# Altium PCB PCB1.PcbDoc
Units mm, origin at the board's own origin, x right, y up, seen from the top; angles counter-clockwise.
Board outline 150 x 90 mm, 2 copper layers (Top Layer, Bottom Layer); 47 components, 75 nets, 310 pads, 29 vias.
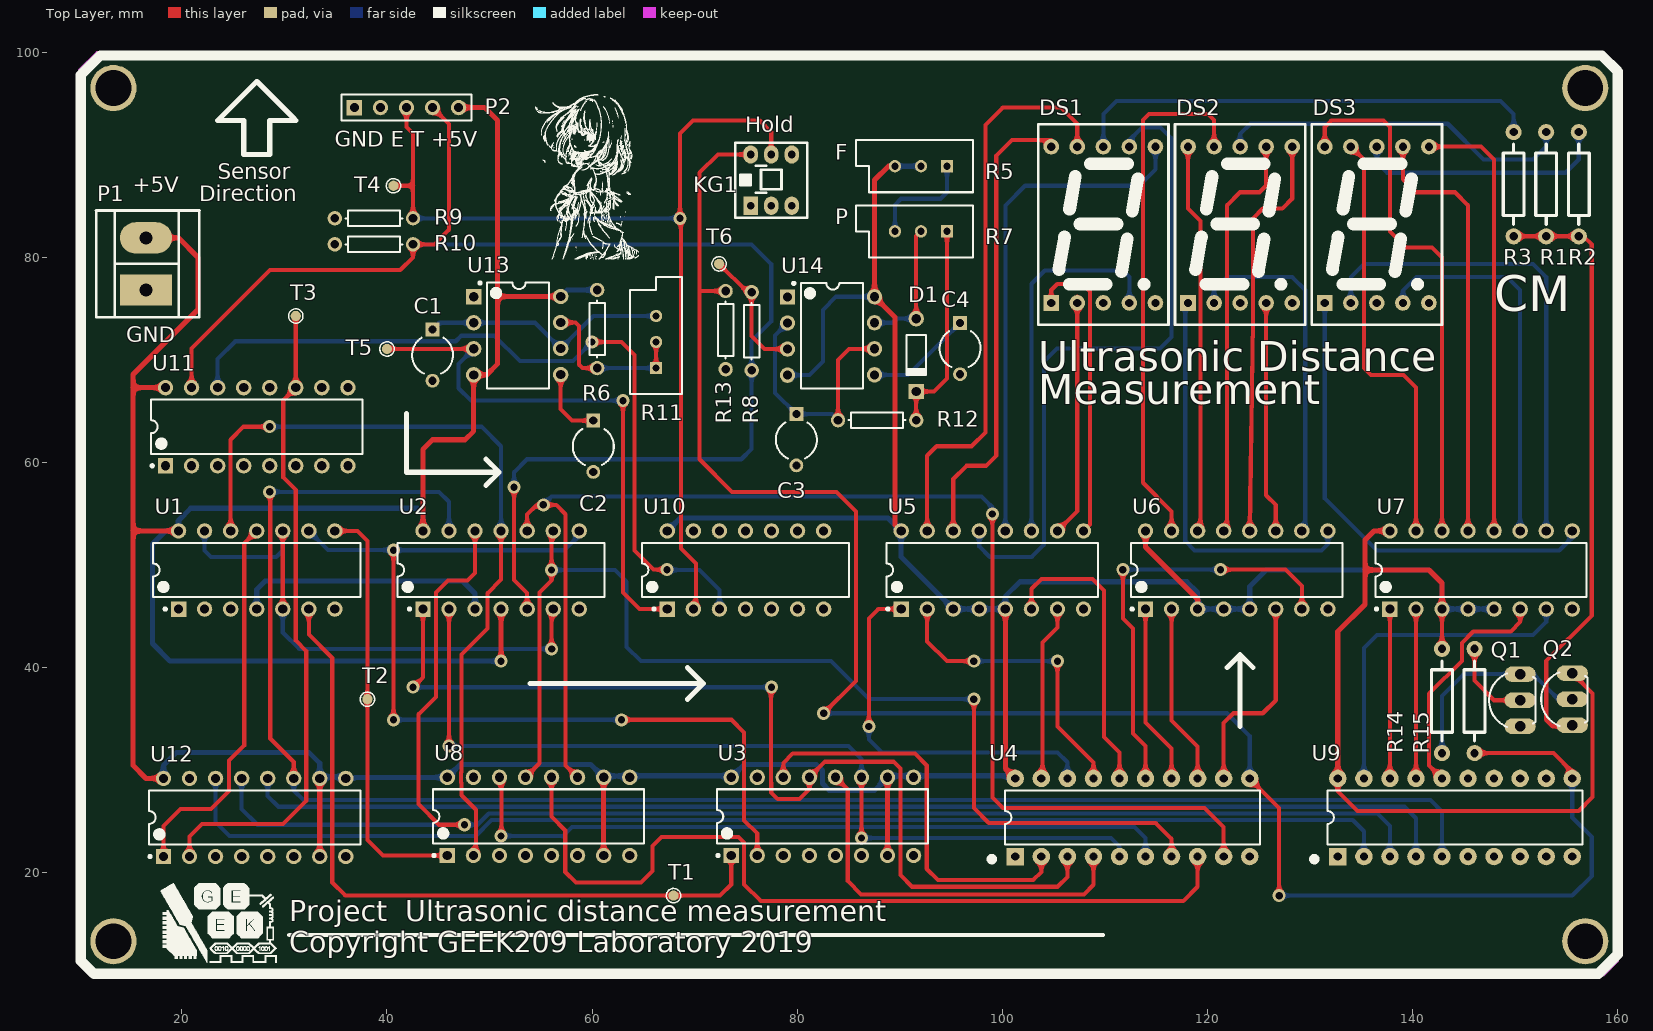
[diagram p0: Top Layer view]
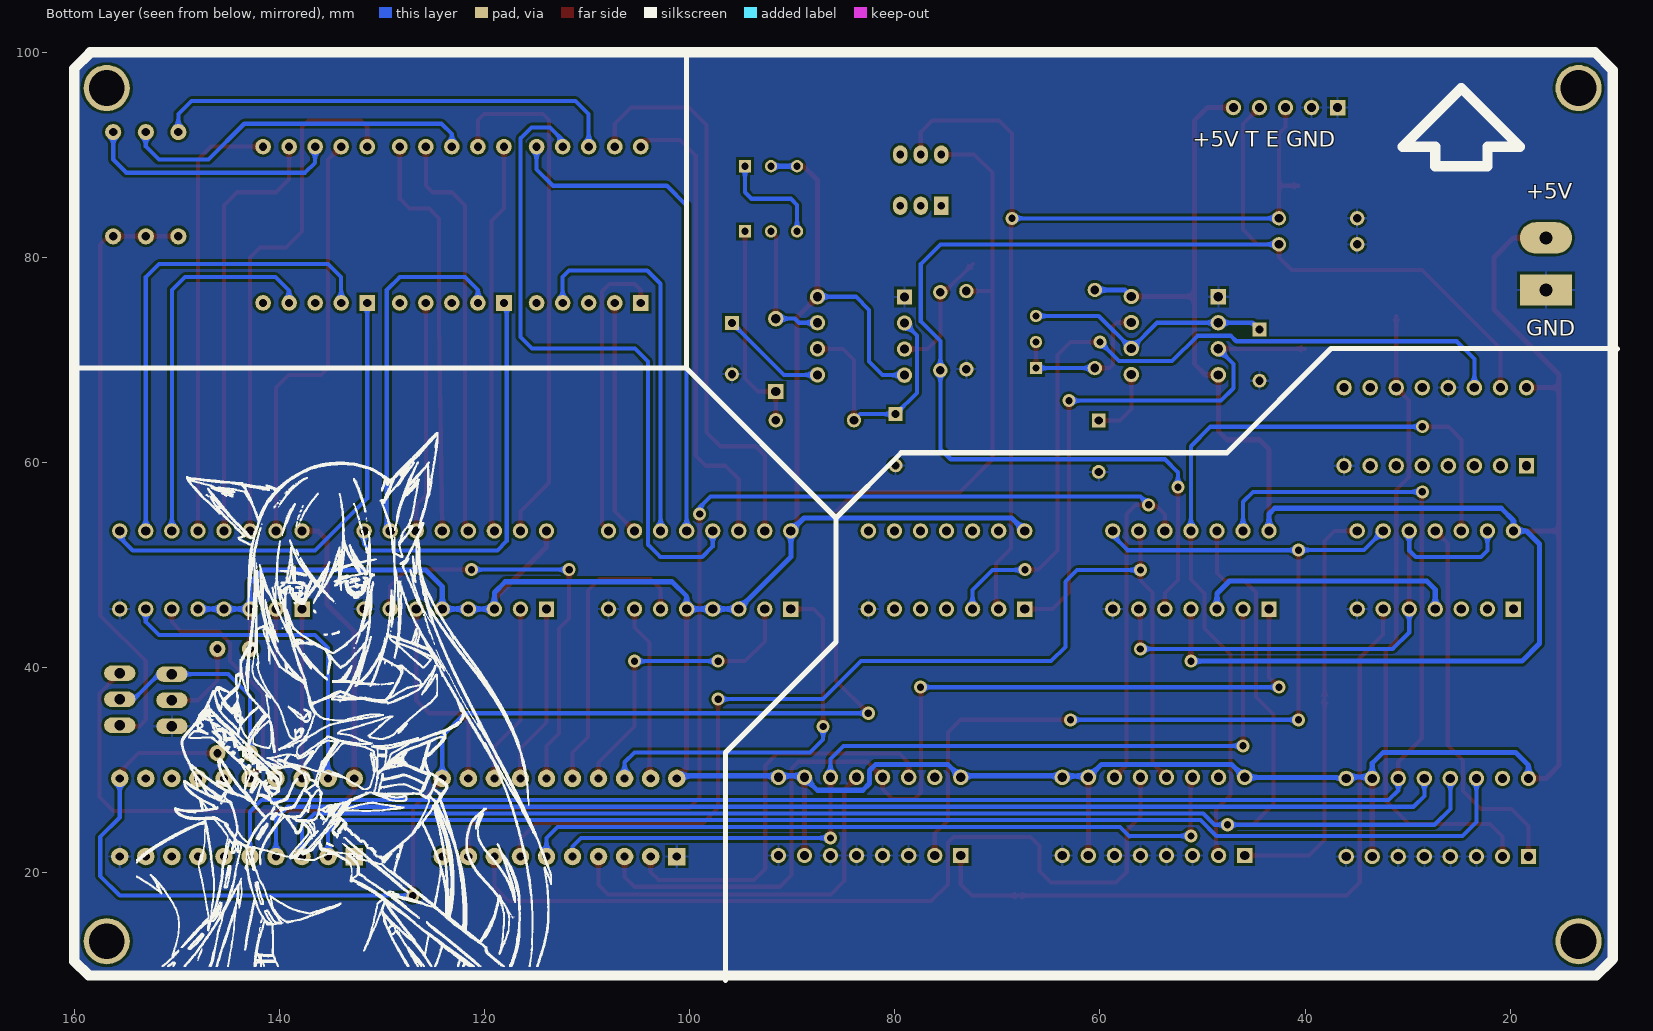
[diagram p1: Bottom Layer view, seen from below]

## Layer stack, top to bottom
Top Solder: solder mask 0.0102, Solder Resist, Dk 3.5
Top Layer: signal copper 0.0356
Dielectric 1: dielectric 0.32, FR-4, Dk 4.8
Bottom Layer: signal copper 0.0356
Bottom Solder: solder mask 0.0102, Solder Resist, Dk 3.5

## Board outline
11.59,10 10,11.59 10,98.265 11.735,100 158.445,100 160,98.445 160,11.39 158.61,10

## Design rules (kind name [scope] priority, off if disabled: settings)
Clearance [All] p1: gap=0.254 ignorepadtopadclearanceinfootprint=FALSE except(0: Arc-Hole Track-Hole SMDPad-Hole THPad-Hole Via-Hole Fill-Hole Poly-Hole Region-Hole Text-Hole)
PolygonConnect [All] p1: connectstyle=Relief reliefconductorwidth=0.254 reliefentries=4 polygonreliefangle="90 Angle" airgapwidth=0.254
RoutingVias [All] p1: holewidth=0.711 width=1.27 viastyle="Through Hole" minholewidth=0.711 minwidth=1.27 maxholewidth=0.711 maxwidth=1.27
SolderMaskExpansion [All] p1: expansion=0.102
Width [All] p1: maxlimit=0.8 minlimit=0.254 preferedwidth=0.4 checkconnectedcopper=TRUE
30 further rules are at their usual default settings.

## Components (designator, comment, footprint, x,y, rotation, side; value= is the part's Value field where it differs from the comment)
C1 "Cap2" CAPR5-4X5 44.45,70.485 r270 top value=100pF
C2 "Cap2" CAPR5-4X5 60.122,61.595 r270 top value=100pF
C3 "Cap2" CAPR5-4X5 79.923,62.23 r270 top value=100pF
C4 "Cap2" CAPR5-4X5 95.885,71.12 r270 top value=100pF
D1 "Diode 1N4148" DO-35 91.607,70.485 r270 top
DS1 "0.56一位共阳数码管" "0.56 一位共阳数码管" 104.775,75.565 r0 top
DS2 "0.56一位共阳数码管" "0.56 一位共阳数码管" 118.11,75.565 r0 top
DS3 "0.56一位共阳数码管" "0.56 一位共阳数码管" 131.445,75.565 r0 top
KG1 "7*7自锁开关" "7*7 自锁开关" 77.47,87.543 r0 top
P1 "Header 2" DG1282-5.0 16.51,79.375 r90 top
P2 "Header 5" HDR1X5 36.83,94.615 r0 top
Q1 "NPN" TO92 150.495,36.83 r90 top
Q2 "NPN" TO92 155.575,36.932 r90 top
R1 "RES" AXIAL0.4 153.035,92.227 r270 top
R2 "RES" AXIAL0.4 156.21,92.227 r270 top
R3 "RES" AXIAL0.4 149.86,92.227 r270 top
R5 "RPot" VR5 92.075,88.9 r180 top value=1K
R6 "Res1" AXIAL-0.3 60.499,73.025 r90 top value=1K
R7 "RPot" VR5 92.075,82.55 r180 top value=1K
R8 "Res1" AXIAL-0.3 75.565,72.807 r90 top value=1K
R9 "Res1" AXIAL-0.3 38.735,83.82 r180 top value=1K
R10 "Res1" AXIAL-0.3 38.735,81.28 r180 top value=1K
R11 "RPot" VR5 66.245,71.755 r90 top value=1K
R12 "Res1" AXIAL-0.3 87.797,64.135 r180 top value=1K
R13 "Res1" AXIAL-0.3 73.025,72.919 r90 top value=1K
R14 "RES" AXIAL0.4 142.875,31.674 r90 top
R15 "RES" AXIAL0.4 146.05,31.674 r90 top
T1 "1 测试点" SIP1-1*1 67.945,17.78 r0 top
T2 "1 测试点" SIP1-1*1 38.1,36.932 r0 top
T3 "1 测试点" SIP1-1*1 31.115,74.295 r0 top
T4 "1 测试点" SIP1-1*1 40.64,86.995 r0 top
T5 "1 测试点" SIP1-1*1 40.005,71.08 r0 top
T6 "1 测试点" SIP1-1*1 72.39,79.375 r0 top
U1 "74LS08" DIP-14 27.305,49.53 r90 top
U2 "74LS00" DIP-14 51.133,49.53 r90 top
U3 "74LS160" DIP-16 82.463,25.5 r90 top
U4 "74HC573" DIP20-300 112.697,25.4 r90 top
U5 "7446" DIP-16 99.029,49.53 r90 top
U6 "7446" DIP-16 122.857,49.53 r90 top
U7 "7446" DIP-16 146.685,49.53 r90 top
U8 "74LS160" DIP-16 54.784,25.5 r90 top
U9 "74HC573" DIP20-300 144.145,25.4 r90 top
U10 "74LS00" DIP-14 74.961,49.53 r90 top
U11 "4017" DIP-16 27.305,63.5 r90 top
U12 "74LS160" DIP-16 27.105,25.4 r90 top
U13 "NE555" DIP8 52.879,72.39 r0 top
U14 "NE555" DIP8 83.479,72.365 r0 top

## Footprints (in the part's own frame and the unit in brackets; to place one, negate y for a bottom-side part, rotate by r counter-clockwise, add the part's x,y. Pads: shape width x height; smd on the part's side, far side on the other; paste and mask are expansions set on the pad)
"0.56 一位共阳数码管" [mil]
  rect 60x60 hole 32: 1(0,0)
  round 60 hole 32: 2(100,0) 3(200,0) 4(300,0) 5(400,0) 6(400,600) 7(300,600) 8(200,600) 9(100,600) 10(0,600)
  silkscreen extent -50,-84 450,686, body extent -51,-80 449,670, height 316
"7*7 自锁开关" [mil]
  rect 55x70 hole 30: 1(-78.74,-98.43)
  oval 55x70 hole 30: 2(0,-98.43) 3(78.74,-98.43) 4(78.74,98.43) 5(0,98.43) 6(-78.74,98.43)
  silkscreen extent -138,-144 138,144
AXIAL0.4 [mil]
  round 62 hole 32: 1(0,0) 2(400,0)
  silkscreen extent 46,-40 354,40, body extent -12,-50 412,50, height 128
AXIAL-0.3 [mm] "Axial Device, Thru-Hole; 2 Leads; 0.3 in Pin Spacing"
  round 1.4 hole 0.85: 1(-3.81,0) 2(3.81,0)
  silkscreen extent -2.77,-0.76 2.77,0.76
CAPR5-4X5 [mm] "Capacitor; 2 Leads"
  rect 1.35x1.35 hole 0.8: 1(-2.5,0)
  round 1.35 hole 0.8: 2(2.5,0)
  silkscreen extent -1.69,-2 1.82,2
DG1282-5.0 [mil]
  rect 120x200 hole 50: 1(-100,0)
  oval 120x200 hole 50: 2(100,0)
  silkscreen extent -205,-205 205,191
DIP8 [mm]
  rect 1.5x1.5 hole 0.9: 1(-4.42,3.785)
  round 1.5 hole 0.9: 2(-4.42,1.245) 3(-4.42,-1.295) 4(-4.42,-3.835) 5(4.064,-3.81) 6(4.064,-1.27) 7(4.064,1.27) 8(4.064,3.81)
  silkscreen extent -3.93,-5.15 2.92,5.23, body extent -4.32,-4.95 4.06,4.95, height 3.65
DIP20-300 [mm] "26.4*7.6*3.8(长宽高）"
  rect 1.7x1.7 hole 0.8: 1(-3.81,11.43)
  round 1.7 hole 0.8: 2(-3.81,8.89) 3(-3.81,6.35) 4(-3.81,3.81) 5(-3.81,1.27) 6(-3.81,-1.27) 7(-3.81,-3.81) 8(-3.81,-6.35) 9(-3.81,-8.89) 10(-3.81,-11.43) 11(3.81,-11.43) 12(3.81,-8.89) 13(3.81,-6.35) 14(3.81,-3.81) 15(3.81,-1.27) 16(3.81,1.27) 17(3.81,3.81) 18(3.81,6.35) 19(3.81,8.89) 20(3.81,11.43)
  silkscreen extent -4.32,-12.45 2.65,13.97, body extent -4,-13.2 4,13.2, height 4.5
DIP-14 [mm] "DIP; 14 Leads; Row Spacing 7.62 mm; Pitch 2.54 mm"
  rect 1.5x1.5 hole 0.9: 1(-3.81,7.62)
  round 1.5 hole 0.9: 2(-3.81,5.08) 3(-3.81,2.54) 4(-3.81,0) 5(-3.81,-2.54) 6(-3.81,-5.08) 7(-3.81,-7.62) 8(3.81,-7.62) 9(3.81,-5.08) 10(3.81,-2.54) 11(3.81,0) 12(3.81,2.54) 13(3.81,5.08) 14(3.81,7.62)
  silkscreen extent -3.93,-10.1 2.65,10.1, body extent -3.6,-10.1 3.6,10.1, height 5.08
DIP-16 [mm] "DIP; 16 Leads; Row Spacing 7.62 mm; Pitch 2.54 mm"
  rect 1.5x1.5 hole 0.9: 1(-3.81,8.89)
  round 1.5 hole 0.9: 2(-3.81,6.35) 3(-3.81,3.81) 4(-3.81,1.27) 5(-3.81,-1.27) 6(-3.81,-3.81) 7(-3.81,-6.35) 8(-3.81,-8.89) 9(3.81,-8.89) 10(3.81,-6.35) 11(3.81,-3.81) 12(3.81,-1.27) 13(3.81,1.27) 14(3.81,3.81) 15(3.81,6.35) 16(3.81,8.89)
  silkscreen extent -3.93,-10.3 2.65,10.31, body extent -3.6,-10.28 3.6,10.28, height 5.08
DO-35 [mm] "Diode, Axial; Body 3.8 x 1.9 mm (LxDia. max), Lead Dia. 0.53 mm (max)"
  round 1.5 hole 0.9: 1(-3.55,0)
  rect 1.5x1.5 hole 0.9: 2(3.55,0)
  silkscreen extent -1.95,-0.95 2.05,0.95
HDR1X5 [mm] "Connector; Header; 5 Position"
  rect 1.5x1.5 hole 0.9: 1(0,0)
  round 1.5 hole 0.9: 2(2.54,0) 3(5.08,0) 4(7.62,0) 5(10.16,0)
  silkscreen extent -1.27,-1.27 11.43,1.27
SIP1-1*1 [mm] "Connector; Plug"
  round 1 smd: 1(0,0)
  silkscreen extent -0.7,-0.7 0.7,0.7
TO92 [mil]
  oval 60x120 hole 40: 1(-100,0) 2(100,0) 3(0,0)
  silkscreen extent -103,-58 103,119
VR5 [mm] "Thru-Hole; 3 Leads"
  rect 1.2x1.2 hole 0.7: 1(-2.54,0)
  round 1.2 hole 0.7: 2(0,0) 3(2.54,0)
  silkscreen extent -5.08,-2.54 6.35,2.54

## Part data
C1 C2 C3 C4: "Capacitor", PackageDescription="Capacitor; 2 Leads", PackageReference=CAPR5-4X5, Published=23-Sep-2002, Publisher="Altium Limited"
D1: "High Conductance Fast Diode", Code_JEDEC=DO-204-AH, ComponentLink1Description="Manufacturer Link", ComponentLink1URL=http://www.fairchildsemi.com/, ComponentLink2Description=Datasheet, ComponentLink2URL=http://www.fairchildsemi.com/ds/1N%2F1N4148.pdf, DatasheetVersion=1997, LatestRevisionDate=17-Jul-2002, LatestRevisionNote="Re-released for DXP Platform.", PackageDescription="Diode, Axial; Body 3.8 x 1.9 mm (LxDia. max), Lead Dia. 0.53 mm (max)", PackageReference=DO-35, Published=8-Jun-2000, Publisher="Altium Limited"
P1: "Header, 2-Pin", LatestRevisionDate=17-Jul-2002, LatestRevisionNote="Re-released for DXP Platform.", Publisher="Altium Limited"
P2: "Header, 5-Pin", LatestRevisionDate=17-Jul-2002, LatestRevisionNote="Re-released for DXP Platform.", Publisher="Altium Limited"
R5 R7 R11: "Potentiometer", LatestRevisionDate=17-Jul-2002, LatestRevisionNote="Re-released for DXP Platform.", PackageDescription="Variable Resistor, Thru-Hole; 3 Leads", PackageReference=VR5, Published=8-Jun-2000, Publisher="Altium Limited", Set Position=0.5, Sim Note="Enter the Resistance value and the set point into parameter fields."
R6 R8 R9 R10 R12 R13: "Resistor", LatestRevisionDate=17-Jul-2002, LatestRevisionNote="Re-released for DXP Platform.", PackageDescription="Axial Device, Thru-Hole; 2 Leads; 0.3 in Pin Spacing", PackageReference=AXIAL-0.3, Published=8-Jun-2000, Publisher="Altium Limited"

## Free pads (board coordinates)
  round 4.5 hole 3.5: 2(13.335,96.52) 3(13.335,13.335) 4(156.845,13.335) 5(156.845,96.52)

## Via types
v1: diameter 1.27, hole 0.711, Top Layer to Bottom Layer, 29 vias

## Nets (pads, with @x,y where several pads share a name; then routed paths per layer and width w, separated by ;. In a path a pad name is that pad's centre, name@x,y a point inside that pad or via, vN(x,y) a via of type N, cw(c..) or ccw(c..) an arc to the next point about the centre after c; other vN are vias at no path point)
CLK: T5.1 U10.1 U13.3 | length 53.1
  Top Layer w0.4: T5.1 40.02,71.095 U13.3 ; v1(63.017,66.04) 63.017,60.173 63.017,47.321 64.618,45.72 U10.1
  Bottom Layer w0.4: U13.3 46.99,69.625 46.99,67.247 48.197,66.04 53.514,66.04 v1(63.017,66.04)
DisCtrl: KG1.6 R13.2 R15.1 U4.11 U9.11 | length 185.7
  Top Layer w0.4: R13.2 70.591,76.729 70.485,76.835 ; KG1.6 72.263,90.043 70.485,88.265 70.485,76.835 ; v1(82.581,35.56) 85.725,38.704 85.725,55.245 83.82,57.15 73.66,57.15 70.485,60.325 70.485,76.835 ; U4.11 127,26.337 v1(127,17.78) ; R15.1@146.685,31.674 153.746,31.674 155.575,29.845 U9.11
  Bottom Layer w0.4: v1(82.581,35.56) 121.92,35.56 124.127,33.353 U4.11 ; v1(127,17.78) 155.575,17.78 157.48,19.685 157.48,23.495 155.575,25.4 U9.11
GND: C1.2 C2.2 C3.2 C4.2 P1.1 P2.1 P2.2 Q1.1 R9.2 R10.2 R13.1 U1.7 U2.7 U3.3 U3.4 U3.5 U3.6 U3.8 U4.1 U4.10 U5.8 U6.8 U7.8 U8.3 U8.4 U8.5 U8.6 U8.8 U9.1 U9.10 U10.7 U11.8 U11.13 U12.3 U12.4 U12.5 U12.6 U12.8 U13.1 U14.1
NetC1_1: C1.1 R11.3 U13.2 U13.6 | length 24.4
  Bottom Layer w0.4: C1.1 45.1,73.635 U13.2 54.428,73.635 U13.6 60.118,74.295 R11.3
NetC2_1: C2.1 U13.5 | length 7
  Top Layer w0.4: U13.5 56.943,65.216 58.064,64.095 C2.1
NetC3_1: C3.1 R12.2 U14.2 U14.6 | length 24.4
  Top Layer w0.4: R12.2 83.987,70.017 85.065,71.095 U14.6
  Bottom Layer w0.4: U14.2 77.851,72.401 77.851,66.802 C3.1 83.392,64.73 R12.2
NetC4_1: C4.1 U14.5 | length 10.4
  Bottom Layer w0.4: U14.5 90.82,68.555 C4.1
NetD1_1: D1.1 R7.2 U14.7 | length 12.9
  Top Layer w0.4: D1.1 91.607,82.082 R7.2
  Bottom Layer w0.4: U14.7 89.357,73.635 89.758,74.035 D1.1
NetD1_2: D1.2 R7.1 R12.1 | length 20.7
  Top Layer w0.4: R12.1 D1.2 93.345,66.935 94.615,68.205 R7.1
NetDS1_1: DS1.1 U5.9 | length 28.6
  Top Layer w0.4: DS1.1@104.775,76.2 104.775,76.835 105.359,77.419 107.823,77.419 108.534,76.708 108.534,53.955 U5.9
NetDS1_2: DS1.2 U5.10 | length 23.7
  Top Layer w0.4: U5.10 107.315,55.276 DS1.2@107.315,76.2
NetDS1_4: DS1.4 U5.11 | length 37
  Bottom Layer w0.4: U5.11 102.839,77.439 104.14,78.74 111.76,78.74 112.395,78.105 DS1.4
NetDS1_6: DS1.6 U5.12 | length 50
  Bottom Layer w0.4: U5.12 100.299,85.059 102.235,86.995 113.332,86.995 114.935,88.598 DS1.6
NetDS1_7: DS1.7 U5.13 | length 64.4
  Bottom Layer w0.4: U5.13 97.759,51.822 98.781,50.8 102.87,50.8 104.064,51.994 104.064,69.85 105.334,71.12 115.366,71.12 116.482,72.236 116.482,91.621 115.443,92.659 113.614,92.659 DS1.7@112.395,91.44
NetDS1_8: DS1.8 R3.1 | length 45.3
  Bottom Layer w0.4: DS1.8@109.855,91.44 109.855,93.98 111.125,95.25 148.59,95.25 149.86,93.98 R3.1
NetDS1_9: DS1.9 U5.15 | length 55.8
  Top Layer w0.4: U5.15 92.679,60.667 93.607,61.595 96.996,61.595 98.349,62.948 98.349,92.913 100.051,94.615 105.712,94.615 107.315,93.012 DS1.9@107.315,91.44
NetDS1_10: DS1.10 U5.14 | length 45.4
  Top Layer w0.4: U5.14 95.219,58.389 96.52,59.69 98.425,59.69 99.416,60.681 99.416,89.922 100.934,91.44 DS1.10@104.775,91.44
NetDS2_1: DS2.1 U6.9 | length 39.1
  Bottom Layer w0.4: DS2.1 117.843,75.298 117.843,52.337 118.745,51.435 131.112,51.435 131.747,52.07 U6.9
NetDS2_2: DS2.2 U6.10 | length 34.8
  Bottom Layer w0.4: DS2.2 120.65,76.835 121.92,78.105 128.27,78.105 129.54,76.835 129.54,53.673 U6.10
NetDS2_4: DS2.4 U6.11 | length 22.6
  Top Layer w0.4: DS2.4 125.73,56.817 126.667,55.88 U6.11
NetDS2_6: DS2.6 U6.12 | length 40.2
  Top Layer w0.4: U6.12 124.46,73.812 124.46,83.82 125.397,84.757 127.302,84.757 128.27,85.725 DS2.6
NetDS2_7: DS2.7 U6.13 | length 40.5
  Top Layer w0.4: U6.13 121.92,53.34 121.92,85.09 123.19,86.36 125.095,86.36 125.73,86.995 DS2.7
NetDS2_8: DS2.8 R1.1 | length 34.9
  Bottom Layer w0.4: DS2.8 123.19,92.024 124.206,93.04 143.434,93.04 146.939,89.535 151.765,89.535 153.035,90.805 R1.1
NetDS2_9: DS2.9 U6.15 | length 51.2
  Top Layer w0.4: U6.15 116.507,55.245 113.716,58.036 113.716,93.396 114.3,93.98 120.066,93.98 120.65,93.396 DS2.9
NetDS2_10: DS2.10 U6.14 | length 38.1
  Top Layer w0.4: DS2.10 118.11,84.757 119.326,83.541 119.326,53.619 U6.14
NetDS3_1: DS3.1 U7.9 | length 46.4
  Bottom Layer w0.4: DS3.1 131.445,56.515 136.525,51.435 154.305,51.435 155.575,52.705 U7.9
NetDS3_2: DS3.2 U7.10 | length 47.4
  Bottom Layer w0.4: DS3.2 133.985,78.105 135.255,79.375 151.765,79.375 153.035,78.105 U7.10
NetDS3_4: DS3.4 U7.11 | length 37.2
  Bottom Layer w0.4: DS3.4 139.065,76.781 140.389,78.105 149.225,78.105 150.495,76.835 U7.11
NetDS3_6: DS3.6 U7.12 | length 43.1
  Top Layer w0.4: DS3.6 146.685,90.805 147.955,89.535 147.955,57.452 U7.12
NetDS3_7: DS3.7 U7.13 | length 42.3
  Top Layer w0.4: DS3.7 139.065,87.63 140.335,86.36 144.145,86.36 145.415,85.09 U7.13
NetDS3_8: DS3.8 R2.1 | length 24.9
  Bottom Layer w0.4: DS3.8 136.525,89.233 137.493,88.265 154.94,88.265 156.21,89.535 R2.1
NetDS3_9: DS3.9 U7.15 | length 42
  Top Layer w0.4: DS3.9 135.255,89.535 135.255,69.215 135.941,68.529 139.116,68.529 140.335,67.31 U7.15
NetDS3_10: DS3.10 U7.14 | length 51.7
  Top Layer w0.4: DS3.10 131.445,92.71 132.08,93.345 137.16,93.345 137.795,92.71 137.795,82.55 139.37,80.975 141.91,80.975 142.875,80.01 U7.14
NetQ1_2: Q1.2 Q2.3 R14.1 | length 20.2
  Bottom Layer w0.4: R14.1 142.875,37.245 145,39.37 Q1.2 151.765,39.37 154.203,36.932 Q2.3
NetQ1_3: Q1.3 R15.2 | length 8.4
  Top Layer w0.4: R15.2@146.05,41.91 146.05,38.735 147.955,36.83 Q1.3
NetQ2_1: Q2.1 R1.2 R2.2 R3.2 | length 59
  Top Layer w0.4: R3.2 R1.2 R2.2 156.693,82.067 157.48,81.28 157.48,45.085 153.035,40.64 153.035,34.925 153.67,34.29 155.473,34.29 Q2.1
NetR5_1: R5.1 R7.3 | length 10.7
  Bottom Layer w0.4: R7.3 89.535,85.121 90.139,85.725 93.98,85.725 94.615,86.36 R5.1
NetR6_1: R6.1 R11.1 R11.2 U13.7 | length 15.9
  Top Layer w0.4: U13.7 58.369,73.66 58.725,73.304 58.725,69.545 59.055,69.215 R6.1 ; R11.1 R11.2
  Bottom Layer w0.4: R6.1 R11.1
NetR8_2: R8.2 T6.1 U14.3 | length 12.6
  Top Layer w0.4: T6.1 75.148,76.617 R8.2 75.565,72.339 76.835,71.069 U14.3
NetT1_1: T1.1 U1.6 U3.1 | length 70.3
  Top Layer w0.4: U1.6 32.385,43.251 34.671,40.965 34.671,19.05 35.941,17.78 66.04,17.78 72.481,17.78 73.573,18.872 U3.1
NetT2_1: T2.1 U1.8 U8.1 | length 41.3
  Top Layer w0.4: U1.8 37.124,53.34 38.1,52.364 T2.1 38.202,36.83 38.1,36.83 38.1,23.197 39.607,21.69 U8.1
NetT3_1: T3.1 U11.11 U12.2 | length 63.5
  Top Layer w0.4: U12.2 20.755,23.548 21.972,24.765 29.87,24.765 32.131,27.026 32.131,41.631 31.115,42.647 31.115,57.321 29.896,58.541 29.896,66.091 U11.11 T3.1
NetU1_4: U1.4 U2.3 | length 25.6
  Bottom Layer w0.5: U1.4 27.305,47.625 28.143,48.463 47.371,48.463 48.593,47.241 U2.3
NetU1_5: U1.5 U1.10 U1.13 U2.6 | length 52.7
  Top Layer w0.4: U1.5 U1.10 ; v1(56.061,41.834) 56.061,45.568 U2.6
  Bottom Layer w0.4: U1.13 22.225,51.435 22.86,50.8 29.21,50.8 29.845,51.435 U1.10 ; U1.5 29.845,43.446 31.457,41.834 v1(56.061,41.834)
NetU1_9: U1.9 U2.8 U3.2 | length 92
  Top Layer w0.4: v1(40.64,34.925) v1(40.64,51.458) ; v1(62.865,34.925) 73.598,34.925 74.828,33.695 74.828,25.121 76.113,23.836 U3.2
  Bottom Layer w0.4: U1.9 34.243,51.482 v1@40.64,51.482 ; v1(40.64,34.925) v1(62.865,34.925) ; v1(40.64,51.458) 57.327,51.458 58.753,52.884 U2.8
NetU1_11: U1.11 U12.1 | length 37.3
  Top Layer w0.4: U12.1 18.215,24.565 19.885,26.235 22.86,26.235 24.616,27.991 24.616,30.966 26.086,32.436 26.086,52.121 U1.11
NetU1_12: U1.12 U2.11 U8.2 | length 79.2
  Top Layer w0.4: U1.12 24.765,62.23 26.035,63.5 v1(28.575,63.5) ; U8.2 48.671,21.927 48.671,26.153 47.257,27.567 47.257,28.784 47.23,28.811 47.23,29.809 47.257,29.836 47.257,41.275 49.797,43.815 49.797,47.257 51.133,48.593 U2.11
  Bottom Layer w0.4: U1.12 U1.12@24.765,53.721 ; v1(28.575,63.5) 49.225,63.5 51.133,61.592 U2.11
NetU2_1: U2.1 U3.13 U4.3 | length 98.1
  Top Layer w0.4: v1(42.545,38.1) 43.513,39.068 U2.1 ; v1@77.449,38.1 77.449,28.79 77.47,28.769 77.47,27.838 78.105,27.203 80.229,27.203 81.193,28.167 U3.13 82.719,30.836 89.408,30.836 90.068,30.175 90.068,19.787 91.21,18.645 105.391,18.645 106.347,19.601 U4.3
  Bottom Layer w0.4: v1(42.545,38.1) v1(77.501,38.1)
NetU2_2: U2.2 U3.11 U4.5 | length 88.3
  Top Layer w0.4: v1(46.053,32.385) U2.2 ; v1(86.273,23.393) U3.11
  Bottom Layer w0.4: v1(46.053,32.385) 85.003,32.385 86.273,31.115 U3.11 ; v1(86.273,23.393) 110.592,23.393 111.427,22.558 U4.5
NetU2_9: U2.9 U4.7 U8.13 | length 108.1
  Top Layer w0.4: U8.13 54.889,30.685 54.889,47.343 56.054,48.507 v1(56.054,49.53) 56.054,53.181 U2.9 ; v1(97.231,36.932) 97.231,26.314 98.679,24.867 114.96,24.867 116.507,23.32 U4.7
  Bottom Layer w0.4: v1(56.054,49.53) 62.23,49.53 63.373,48.387 63.373,42.037 64.77,40.64 83.287,40.64 86.995,36.932 v1(97.231,36.932)
NetU2_10: U2.10 U4.9 U8.11 | length 131.7
  Top Layer w0.4: U2.10 53.673,54.943 54.61,55.88 v1(55.245,55.88) 56.515,55.88 57.429,54.966 57.429,30.475 U8.11 ; v1(99.035,54.991) 99.035,27.33 100.051,26.314 119.736,26.314 121.587,24.463 U4.9
  Bottom Layer w0.4: v1(55.245,55.88) 56.061,56.696 97.965,56.696 99.035,55.626 v1(99.035,54.991)
NetU2_12: U2.12 U9.3 U12.13 | length 154.9
  Top Layer w0.4: v1(47.574,24.689) 45.085,24.689 43.08,26.694 43.08,35.46 44.78,37.16 44.78,47.321 45.967,48.507 47.872,48.507 48.593,49.228 U2.12
  Bottom Layer w0.4: U12.13 25.835,26.235 27.381,24.689 v1(47.574,24.689) 48.827,24.689 49.929,25.79 136.581,25.79 137.795,24.576 U9.3
NetU2_13: U2.13 U9.5 U12.11 | length 168
  Top Layer w0.4: v1(28.575,57.15) 28.626,57.099 28.626,33.096 30.915,30.807 U12.11
  Bottom Layer w0.4: v1(28.575,57.15) 45.085,57.15 46.053,56.182 U2.13 ; U12.11 30.915,28.047 31.864,27.098 141.735,27.098 142.875,25.959 U9.5
NetU3_12: U3.12 U4.4 | length 38.2
  Top Layer w0.4: U3.12 84.938,28.105 84.938,19.202 86.239,17.901 107.95,17.901 108.887,18.838 U4.4
NetU3_14: U3.14 U4.2 | length 39.8
  Top Layer w0.4: U3.14 78.653,30.709 79.567,31.623 91.491,31.623 92.634,30.48 92.634,20.396 93.731,19.299 103.017,19.299 103.807,20.089 U4.2
NetU4_6: U4.6 U8.14 | length 71.3
  Top Layer w0.4: U8.14 51.161,29.123 51.161,24.197 51.133,24.169 v1(51.133,23.6)
  Bottom Layer w0.4: v1(51.133,23.6) 57.075,23.6 57.127,23.548 58.061,24.482 112.878,24.482 113.967,23.393 U4.6
NetU4_8: U4.8 U8.12 | length 83.6
  Top Layer w0.4: U8.12 56.054,25.48 57.39,24.144 57.39,20.08 58.42,19.05 64.77,19.05 65.913,20.193 65.913,22.632 66.776,23.495 74.297,23.495 74.828,22.964 74.828,18.872 76.454,17.247 117.649,17.247 119.047,18.645 U4.8
NetU9_2: U9.2 U12.14 | length 120.3
  Bottom Layer w0.4: U12.14 23.295,24.965 24.66,23.6 48.663,23.6 50.2,25.136 134.172,25.136 135.255,24.054 U9.2
NetU9_4: U9.4 U12.12 | length 118.3
  Bottom Layer w0.4: U12.12 28.375,27.505 29.436,26.444 139.214,26.444 140.335,25.324 U9.4
NetU10_3: U10.3 U11.14 | length 77.5
  Top Layer w0.4: v1(59.995,71.755) 62.865,71.755 64.135,70.485 64.135,51.435 66.009,49.561 v1(67.31,49.561)
  Bottom Layer w0.4: U11.14 23.495,70.109 25.217,71.831 46.711,71.831 47.244,72.365 50.495,72.365 52.959,69.901 58.141,69.901 v1(59.995,71.755) ; v1(67.31,49.561) 67.341,49.53 70.485,49.53 72.421,47.594 U10.3
Q1: U4.19 U5.7 | length 17.2
  Top Layer w0.4: U4.19 103.928,29.331 103.928,41.726 103.927,41.728 103.927,42.459 105.379,43.911 U5.7
Q2: U4.18 U5.1 | length 37.2
  Top Layer w0.4: v1(86.995,34.27) 86.995,44.806 87.909,45.72 U5.1
  Bottom Layer w0.4: v1(86.995,34.27) 86.995,33.02 88.265,31.75 105.379,31.75 106.347,30.782 U4.18
Q3: U4.17 U5.2 | length 29.5
  Top Layer w0.4: U5.2 92.679,42.576 94.615,40.64 v1(97.231,40.64) ; v1(105.379,40.64) 105.379,34.27 108.887,30.762 U4.17
  Bottom Layer w0.4: v1(97.231,40.64) v1(105.379,40.64)
Q4: U4.16 U5.6 | length 28.9
  Top Layer w0.4: U5.6 102.839,47.698 103.807,48.666 108.814,48.666 109.931,47.549 109.931,33.246 111.427,31.75 U4.16
Q5: U4.15 U6.7 | length 41.6
  Top Layer w0.4: v1(111.76,49.561) 111.76,44.806 112.751,43.815 112.751,33.601 113.967,32.385 U4.15 ; v1(121.285,49.561) 127.604,49.561 129.207,47.958 U6.7
  Bottom Layer w0.4: v1(111.76,49.561) v1(121.285,49.561)
Q6: U4.14 U6.1 | length 17.6
  Top Layer w0.4: U6.1 113.967,34.648 116.507,32.108 U4.14
Q7: U4.13 U6.2 | length 17.6
  Top Layer w0.4: U6.2 116.507,34.846 119.047,32.306 U4.13
Q8: U4.12 U6.6 | length 20.3
  Top Layer w0.4: U4.12 121.587,34.592 122.555,35.56 125.397,35.56 126.667,36.83 U6.6
Q9: U7.7 U9.19 | length 32.8
  Bottom Layer w0.4: U9.19 135.255,32.385 135.255,41.91 136.525,43.18 151.765,43.18 153.035,44.45 U7.7
Q10: U7.1 U9.18 | length 16.5
  Top Layer w0.4: U9.18 U7.1
Q11: U7.2 U9.17 | length 16.5
  Top Layer w0.4: U9.17 U7.2
Q12: U7.6 U9.16 | length 22.9
  Top Layer w0.4: U9.16 141.605,30.48 141.605,37.465 144.809,40.669 144.809,42.424 145.92,43.536 149.581,43.536 150.495,44.45 U7.6
START: P2.4 R8.1 R10.1 U2.5 U11.15 | length 139.5
  Top Layer w0.4: U11.15 20.955,71.12 28.6,78.765 41.3,78.765 42.545,80.01 R10.1 44.624,81.28 46.05,82.706 46.05,93.015 P2.4 ; v1(52.4,57.607) 52.4,48.565 53.673,47.292 U2.5
  Bottom Layer w0.4: R10.1 75.565,81.28 77.47,79.375 77.47,73.776 75.565,71.871 R8.1 75.565,61.341 74.549,60.325 53.67,60.325 52.4,59.055 v1(52.4,57.607)
TRG: KG1.5 P2.3 R9.1 T4.1 U10.2 | length 98.2
  Top Layer w0.4: T4.1 42.545,86.995 ; P2.3 41.91,92.71 42.545,92.075 42.545,86.995 ; R9.1 42.545,86.995 ; U10.2 70.129,45.968 70.129,50.165 68.656,51.638 68.656,83.744 v1(68.58,83.82) 68.58,92.075 69.85,93.345 76.352,93.345 77.47,92.227 KG1.5
  Bottom Layer w0.4: R9.1 v1(68.58,83.82)
VCC: P1.2 P2.5 Q2.2 R5.2 R5.3 R6.2 R14.2 U1.14 U2.4 U2.14 U3.7 U3.9 U3.10 U3.16 U4.20 U5.3 U5.4 U5.5 U5.16 U6.3 U6.4 U6.5 U6.16 U7.3 U7.4 U7.5 U7.16 U8.7 U8.9 U8.10 U8.16 U9.20 U10.14 U11.16 U12.7 U12.9 U12.10 U12.16 U13.4 U13.8 U14.4 U14.8 | length 582.8
  Top Layer w0.4: U9.20 132.715,27.94 134.62,26.035 156.21,26.035 157.553,27.378 157.553,37.494 Q2.2 ; R14.2 U7.3
  Top Layer w0.5: P1.2 19.685,81.915 21.59,80.01 21.59,74.93 15.24,68.58 15.24,67.31 ; U12.16 16.51,29.21 15.24,30.48 15.24,53.34 ; U11.16 15.24,67.31 ; U1.14 15.24,53.34 ; U12.7 U12.10 ; U2.14 43.513,61.293 44.45,62.23 47.625,62.23 48.459,63.064 U13.4 49.723,68.555 50.8,69.632 50.8,76.2 ; P2.5 49.53,94.615 50.8,93.345 50.8,76.2 ; v1(51.133,40.64) U2.4 ; U13.8 50.8,76.2 ; U8.7 U8.10 ; U3.7 U3.10 ; R5.3 88.9,88.9 87.543,87.543 U14.8 89.535,74.183 89.535,53.944 U5.16 ; U5.5 100.299,30.178 U4.20 ; U6.16 113.967,51.768 119.047,46.688 U6.3 ; U9.20 132.715,43.536 135.357,46.177 135.357,49.53 ; U7.16 136.246,53.34 135.357,52.451 135.357,49.53 ; U7.3 142.875,48.26 141.605,49.53 135.357,49.53 ; 15.24,53.34 15.24,67.31
  Bottom Layer w0.4: U14.4 81.193,68.529 82.514,69.85 82.514,74.894 83.795,76.175 U14.8
  Bottom Layer w0.5: U12.16 18.215,30.48 19.485,31.75 32.385,31.75 33.455,30.68 U12.10 33.605,29.36 35.845,29.36 U12.9 36.78,29.21 36.88,29.31 U8.16 47.166,30.582 59.862,30.582 U8.10 61.263,29.439 63.545,29.439 U8.9 63.828,29.464 73.419,29.464 U3.16 74.845,30.582 81.864,30.582 82.474,29.972 82.474,28.702 83.12,28.056 87.559,28.056 U3.10 88.976,29.473 91.19,29.473 U3.9 91.507,29.464 101.013,29.464 U4.20 ; U2.14 43.513,54.991 42.957,55.547 20.876,55.547 19.685,54.356 U1.14 18.415,53.34 17.145,52.07 17.145,42.354 18.859,40.64 v1(51.133,40.64) ; U13.8 57.578,76.835 R6.2 ; U10.14 68.611,54.61 88.869,54.61 U5.16 90.139,50.8 U5.3 U5.4 U5.5 100.299,46.959 101.727,48.387 117.983,48.387 119.047,47.323 U6.3 U6.4 U6.5 124.127,47.927 125.73,49.53 141.605,49.53 142.875,48.26 U7.3 U7.4 U7.5 ; R5.3 R5.2
pads on no net: DS1.3 DS1.5 DS2.3 DS2.5 DS3.3 DS3.5 KG1.1 KG1.2 KG1.3 KG1.4 U1.1 U1.2 U1.3 U3.15 U8.15 U9.6 U9.7 U9.8 U9.9 U9.12 U9.13 U9.14 U9.15 U10.4 U10.5 U10.6 U10.8 U10.9 U10.10 U10.11 U10.12 U10.13 U11.1 U11.2 U11.3 U11.4 U11.5 U11.6 U11.7 U11.9 U11.10 U11.12 U12.15

## Polygon pours and split planes (outlines as drawn)
GND on Bottom Layer "GND_L02_P010" (solid, pour order 10): 11.735,100 10,98.265 10,11.59 11.59,10 158.61,10 158.61,10.04 160.02,11.45 160.02,98.425 158.445,100
GND on Bottom Layer "GND_L02_P008" (solid, pour order 8): 160.655,101.6
GND on Bottom Layer "GND_L02_P004" (solid, pour order 4): 161.925,100.33

## Keep-outs
Keep-Out Layer:
  the board outline again, w0.254

## Silkscreen, mask and mechanical layers (free items; w line width, h text height)
Top Overlay:
  drawing of 12124 lines, arcs and shapes, not listed
  text "Hold" at 74.93,92.227 h1.52
  text "GND E T +5V" at 34.925,90.805 h1.52
  text "F" at 83.733,89.535 h1.52
  text "Sensor" at 23.495,87.63 h1.52
  text "+5V" at 15.24,86.36 h1.52
  text "Direction" at 21.717,85.496 h1.52
  text "P" at 83.733,83.261 h1.52
  text "CM" at 147.955,73.609 h6
  text "GND" at 14.605,71.755 h1.52
  text "Ultrasonic Distance" at 103.505,67.945 h5
  text "Measurement" at 103.505,64.73 h5
  text "Project  Ultrasonic distance measurement" at 30.48,14.605 h3.5
  text "Copyright GEEK209 Laboratory 2019" at 30.48,11.582 h3.5
Bottom Overlay:
  drawing of 54602 lines, arcs and shapes, not listed
  text "+5V T E GND" at 50.974,90.805 h1.52
  text "+5V" at 18.415,85.725 h1.52
  text "GND" at 18.415,72.39 h1.52
Bottom Solder:
  text "Design By ZhangDong" at 45.894,11.43 h1.52